# KiCad board 3ric.kicad_pcb (continued)
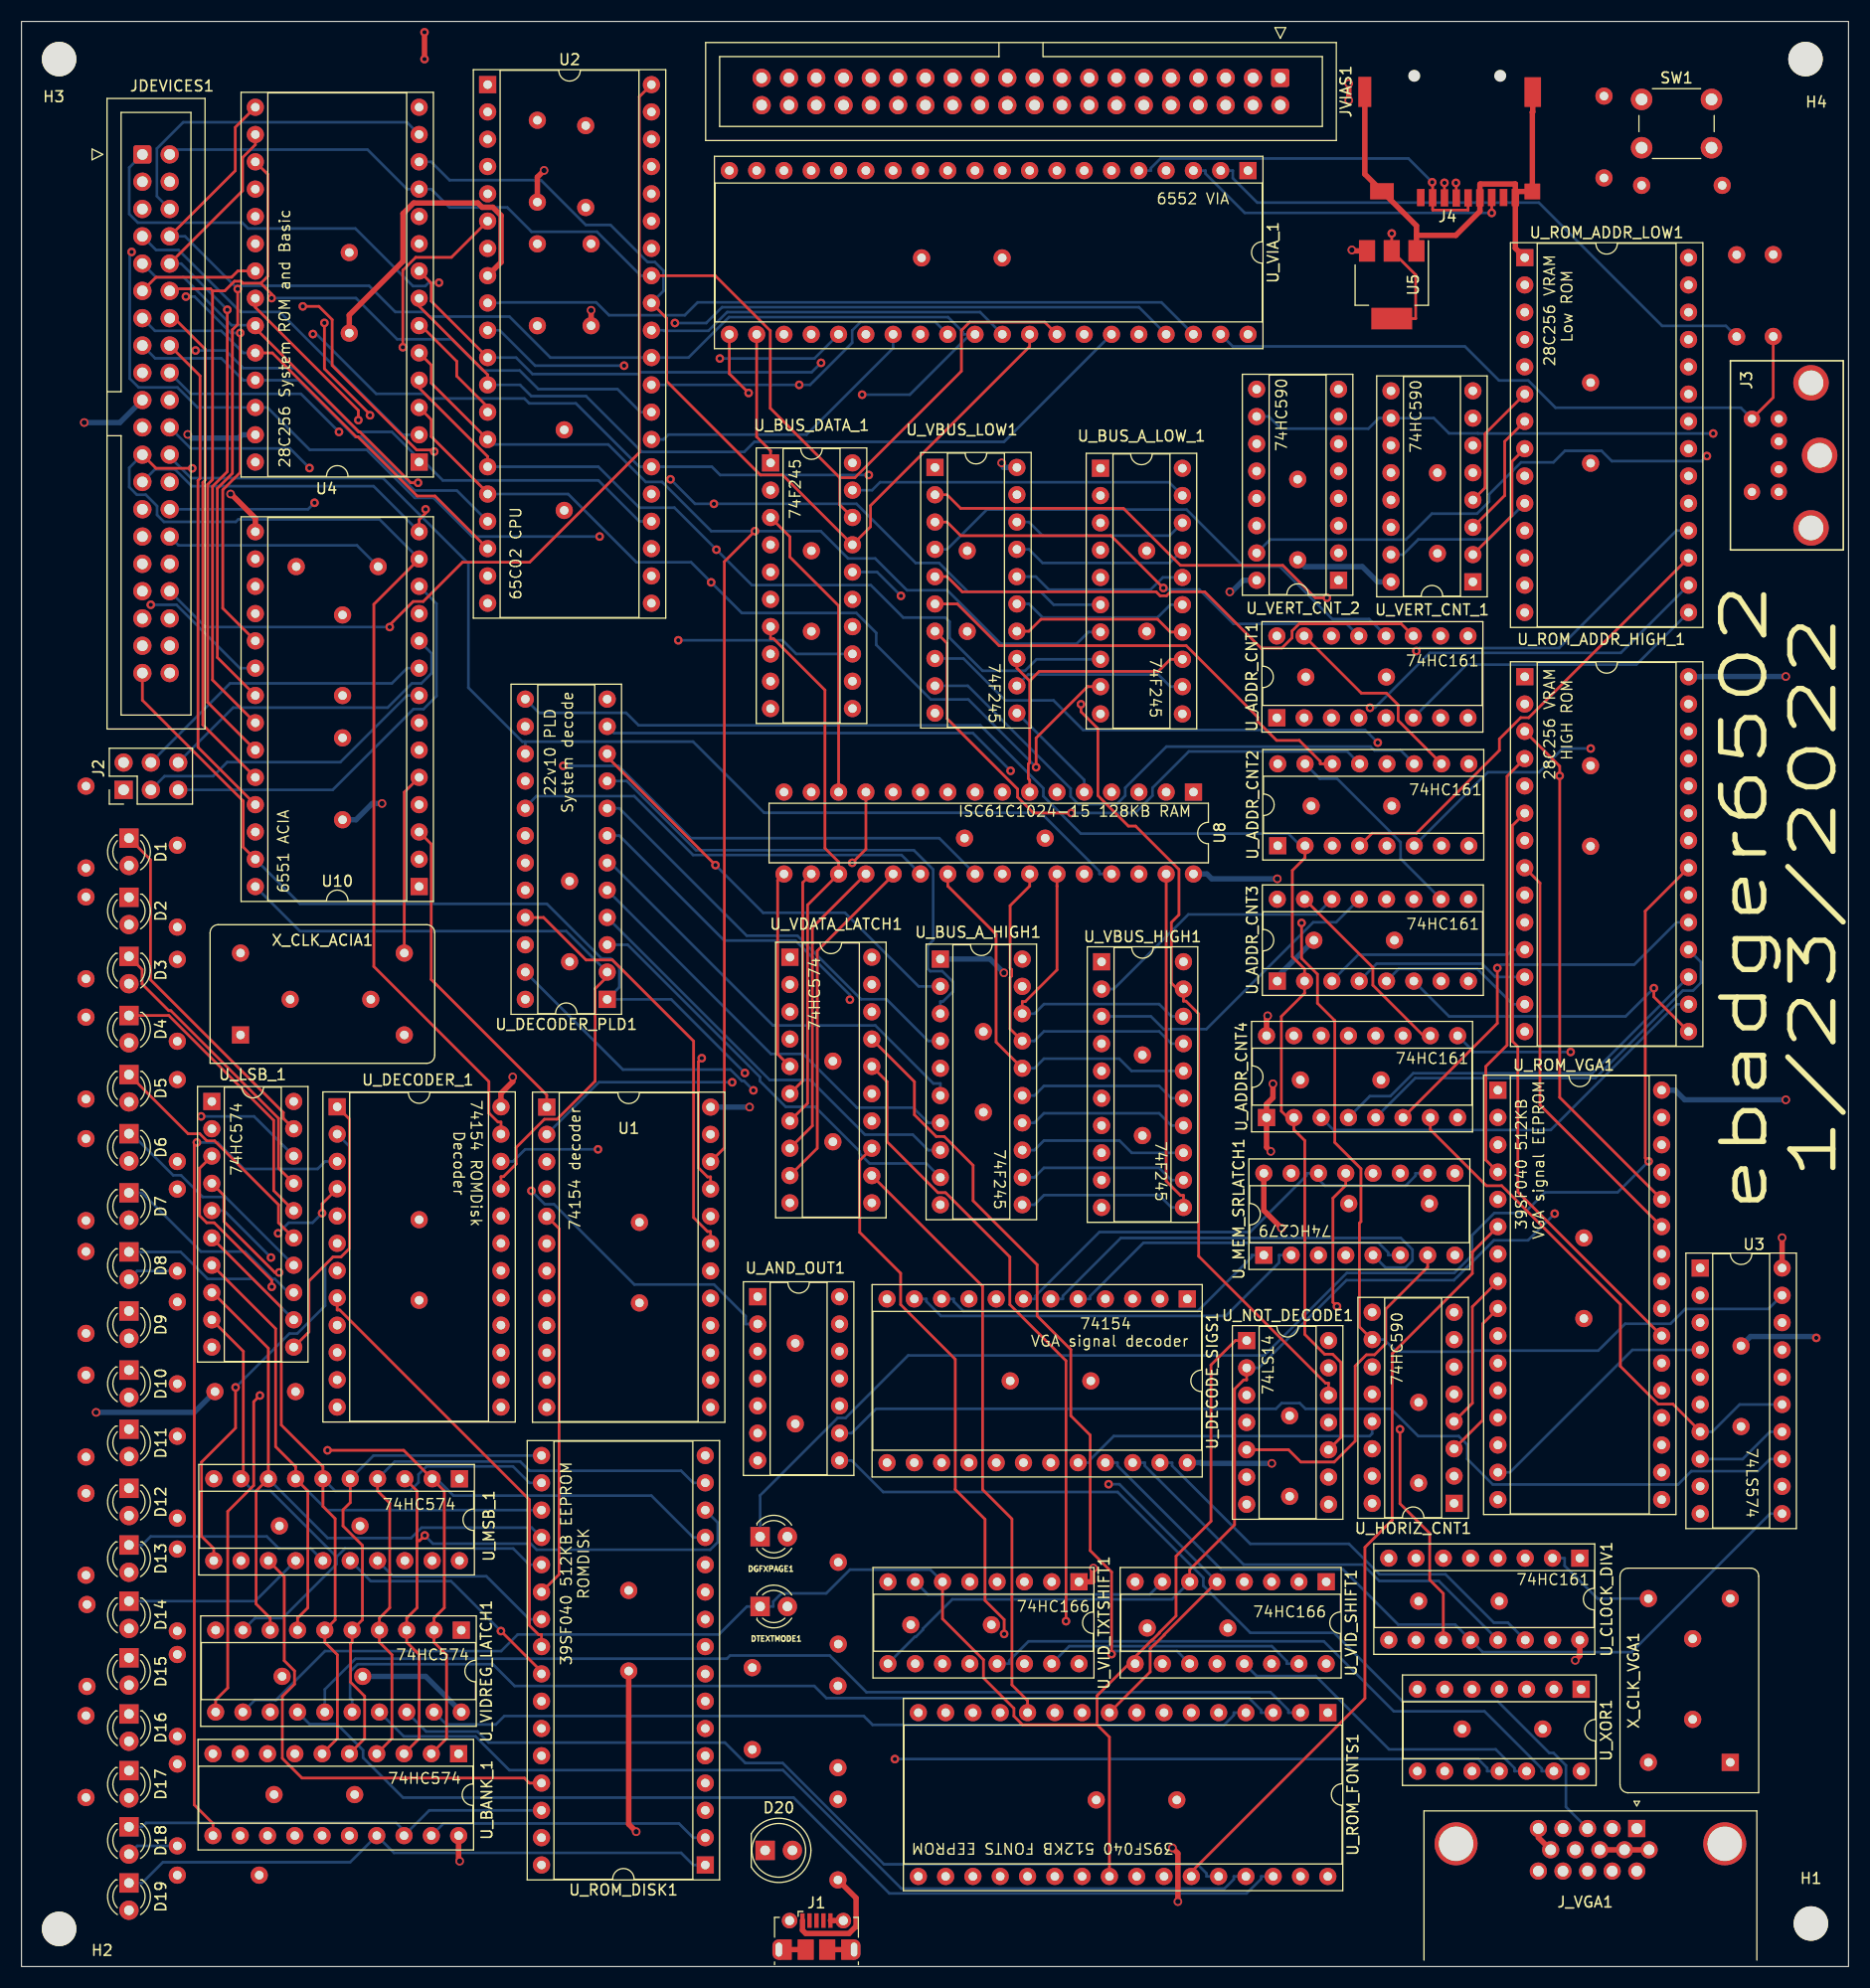
[diagram p0: board, top side]
## Routing (per net, layer and track width the routed paths; a pad name or vN(x,y) marks a point on that pad's centre or on a via; arc(x,y) is an arc through that point) (continued)
Net-(U_ADDR_CNT4-Pad14): length 23.8
  In1.Cu w0.25: U_VBUS_HIGH1.6 103.19,80.8 106.85,84.47 108.33,84.47 111.61,87.75 119.8,87.75 U_ADDR_CNT4.14
Net-(U_AND_OUT1-Pad3): length 2.5
  In1.Cu w0.25: U_AND_OUT1.4 U_AND_OUT1.3
Net-(U_DECODE_SIGS1-Pad1): length 24.8
  In1.Cu w0.25: U_MEM_SRLATCH1.12 124.49,72.55 119.88,72.55 109.6,62.27 109.6,62.12 U_DECODE_SIGS1.1
  In2.Cu w0.25: U_MEM_SRLATCH1.12 U_MEM_SRLATCH1.11
Net-(U_DECODE_SIGS1-Pad2): length 17.5
  In1.Cu w0.25: U_MEM_SRLATCH1.15 118.01,73.82 107.06,62.87 107.06,62.12 105.94,62.12
Net-(U_DECODE_SIGS1-Pad5): length 32.9
  Bottom w0.25: U_MEM_SRLATCH1.6 127.17,66.2 127.17,66.43 126.26,67.35 104.4,67.35 99.44,62.39 99.44,62.12 U_DECODE_SIGS1.5
Net-(U_DECODE_SIGS1-Pad6): length 42
  Bottom w0.25: U_MEM_SRLATCH1.5 126.91,65.05 128.78,65.05 129.43,65.7 129.43,66.71 128.34,67.8 102.29,67.8 96.9,62.41 96.9,62.12 95.78,62.12
Net-(U_DECODE_SIGS1-Pad7): length 44.4
  Bottom w0.25: U_MEM_SRLATCH1.10 129.71,73.82 129.71,73.59 128.78,72.66 121.28,72.66 120.12,73.82 ; U_DECODE_SIGS1.7 94.36,62.12 94.36,62.41 100.3,68.35 114.32,68.35 119.55,73.59 119.55,73.82 120.12,73.82 ; 120.12,73.82 U_MEM_SRLATCH1.14
Net-(U_DECODE_SIGS1-Pad10): length 32.9
  Bottom w0.25: U_MEM_SRLATCH1.1 114.47,66.2 114.47,66.02 109.45,60.99 87.64,60.99 86.74,61.89 86.74,62.12 U_DECODE_SIGS1.10
Net-(U_DECODE_SIGS1-Pad11): length 41.2
  In2.Cu w0.25: U_MEM_SRLATCH1.3 U_MEM_SRLATCH1.2
  Bottom w0.25: U_MEM_SRLATCH1.2 117.01,66.2 117.01,65.5 112.06,60.54 85.55,60.54 84.2,61.89 84.2,62.12 83.08,62.12
Net-(U_MEM_SRLATCH1-Pad7): length 31.9
  Top w0.25: U_NOT_DECODE1.5 117.9,48.09 119.04,46.95 122.15,46.95 124.1,48.9 124.1,55.88 125.14,56.93 125.9,56.93 126.94,57.96 126.94,61.17 130.84,65.07 U_MEM_SRLATCH1.7
Net-(U_MEM_SRLATCH1-Pad9): length 28.8
  In1.Cu w0.25: U_NOT_DECODE1.11 123.91,52.92 123.91,61.54 127.03,64.66 127.03,68.67 130.85,72.49 132.05,72.49 U_MEM_SRLATCH1.9
Net-(U_MEM_SRLATCH1-Pad13): length 19.6
  Top w0.25: v2(122.4,61.43) 122.03,61.8 122.03,71.5 123.22,72.69 U_MEM_SRLATCH1.13
  In1.Cu w0.25: v2(122.4,61.43) 122.77,61.06 122.77,57.7 121.9,56.84 121.62,56.84 U_NOT_DECODE1.13
Net-(U_VERT_CNT_1-Pad9): length 15.6
  In1.Cu w0.25: U_VERT_CNT_1.9 126.3,145.5 121.27,145.5 U_VERT_CNT_2.12

## Copper pours and planes (outline as drawn; the poured copper is in the pictures)
GND on In2.Cu: 178,1 0.5,1 0.5,183 178,183
VCC on In1.Cu: 169.38,180.34 169.38,176.38 1,177.04 0.88,181
VCC on In1.Cu: 169.5,3 165,3 165,180 169.5,180
VCC on In1.Cu: 5,2 0,2 0,181 5,181
VCC on In1.Cu: 169.5,0.5 0.5,0.5 0.5,6.5 169.5,6.5

## Text on the board
F.Silkscreen: 74HC166 | 74LS574 | 74HC574 | ISC61C1024-15 128KB RAM | 74154 / VGA signal decoder | 6552 VIA | 74HC161 | 6551 ACIA | 28C256 System ROM and Basic | 65C02 CPU | 22v10 PLD / System decode | 74154 decoder | 39SF040 512KB EEPROM / ROMDISK | 74F245 | 74LS14 | 74HC590 | 39SF040 512KB / VGA signal EEPROM | 28C256 VRAM / Low ROM | 28C256 VRAM / HIGH ROM | 39SF040 512KB FONTS EEPROM | 74HC279 | 74154 ROMDisk / Decoder | ebadger6502 / 1/23/2022
